# Altium PCB BGA_faser.PcbDoc (part 1 of 3) (continued)
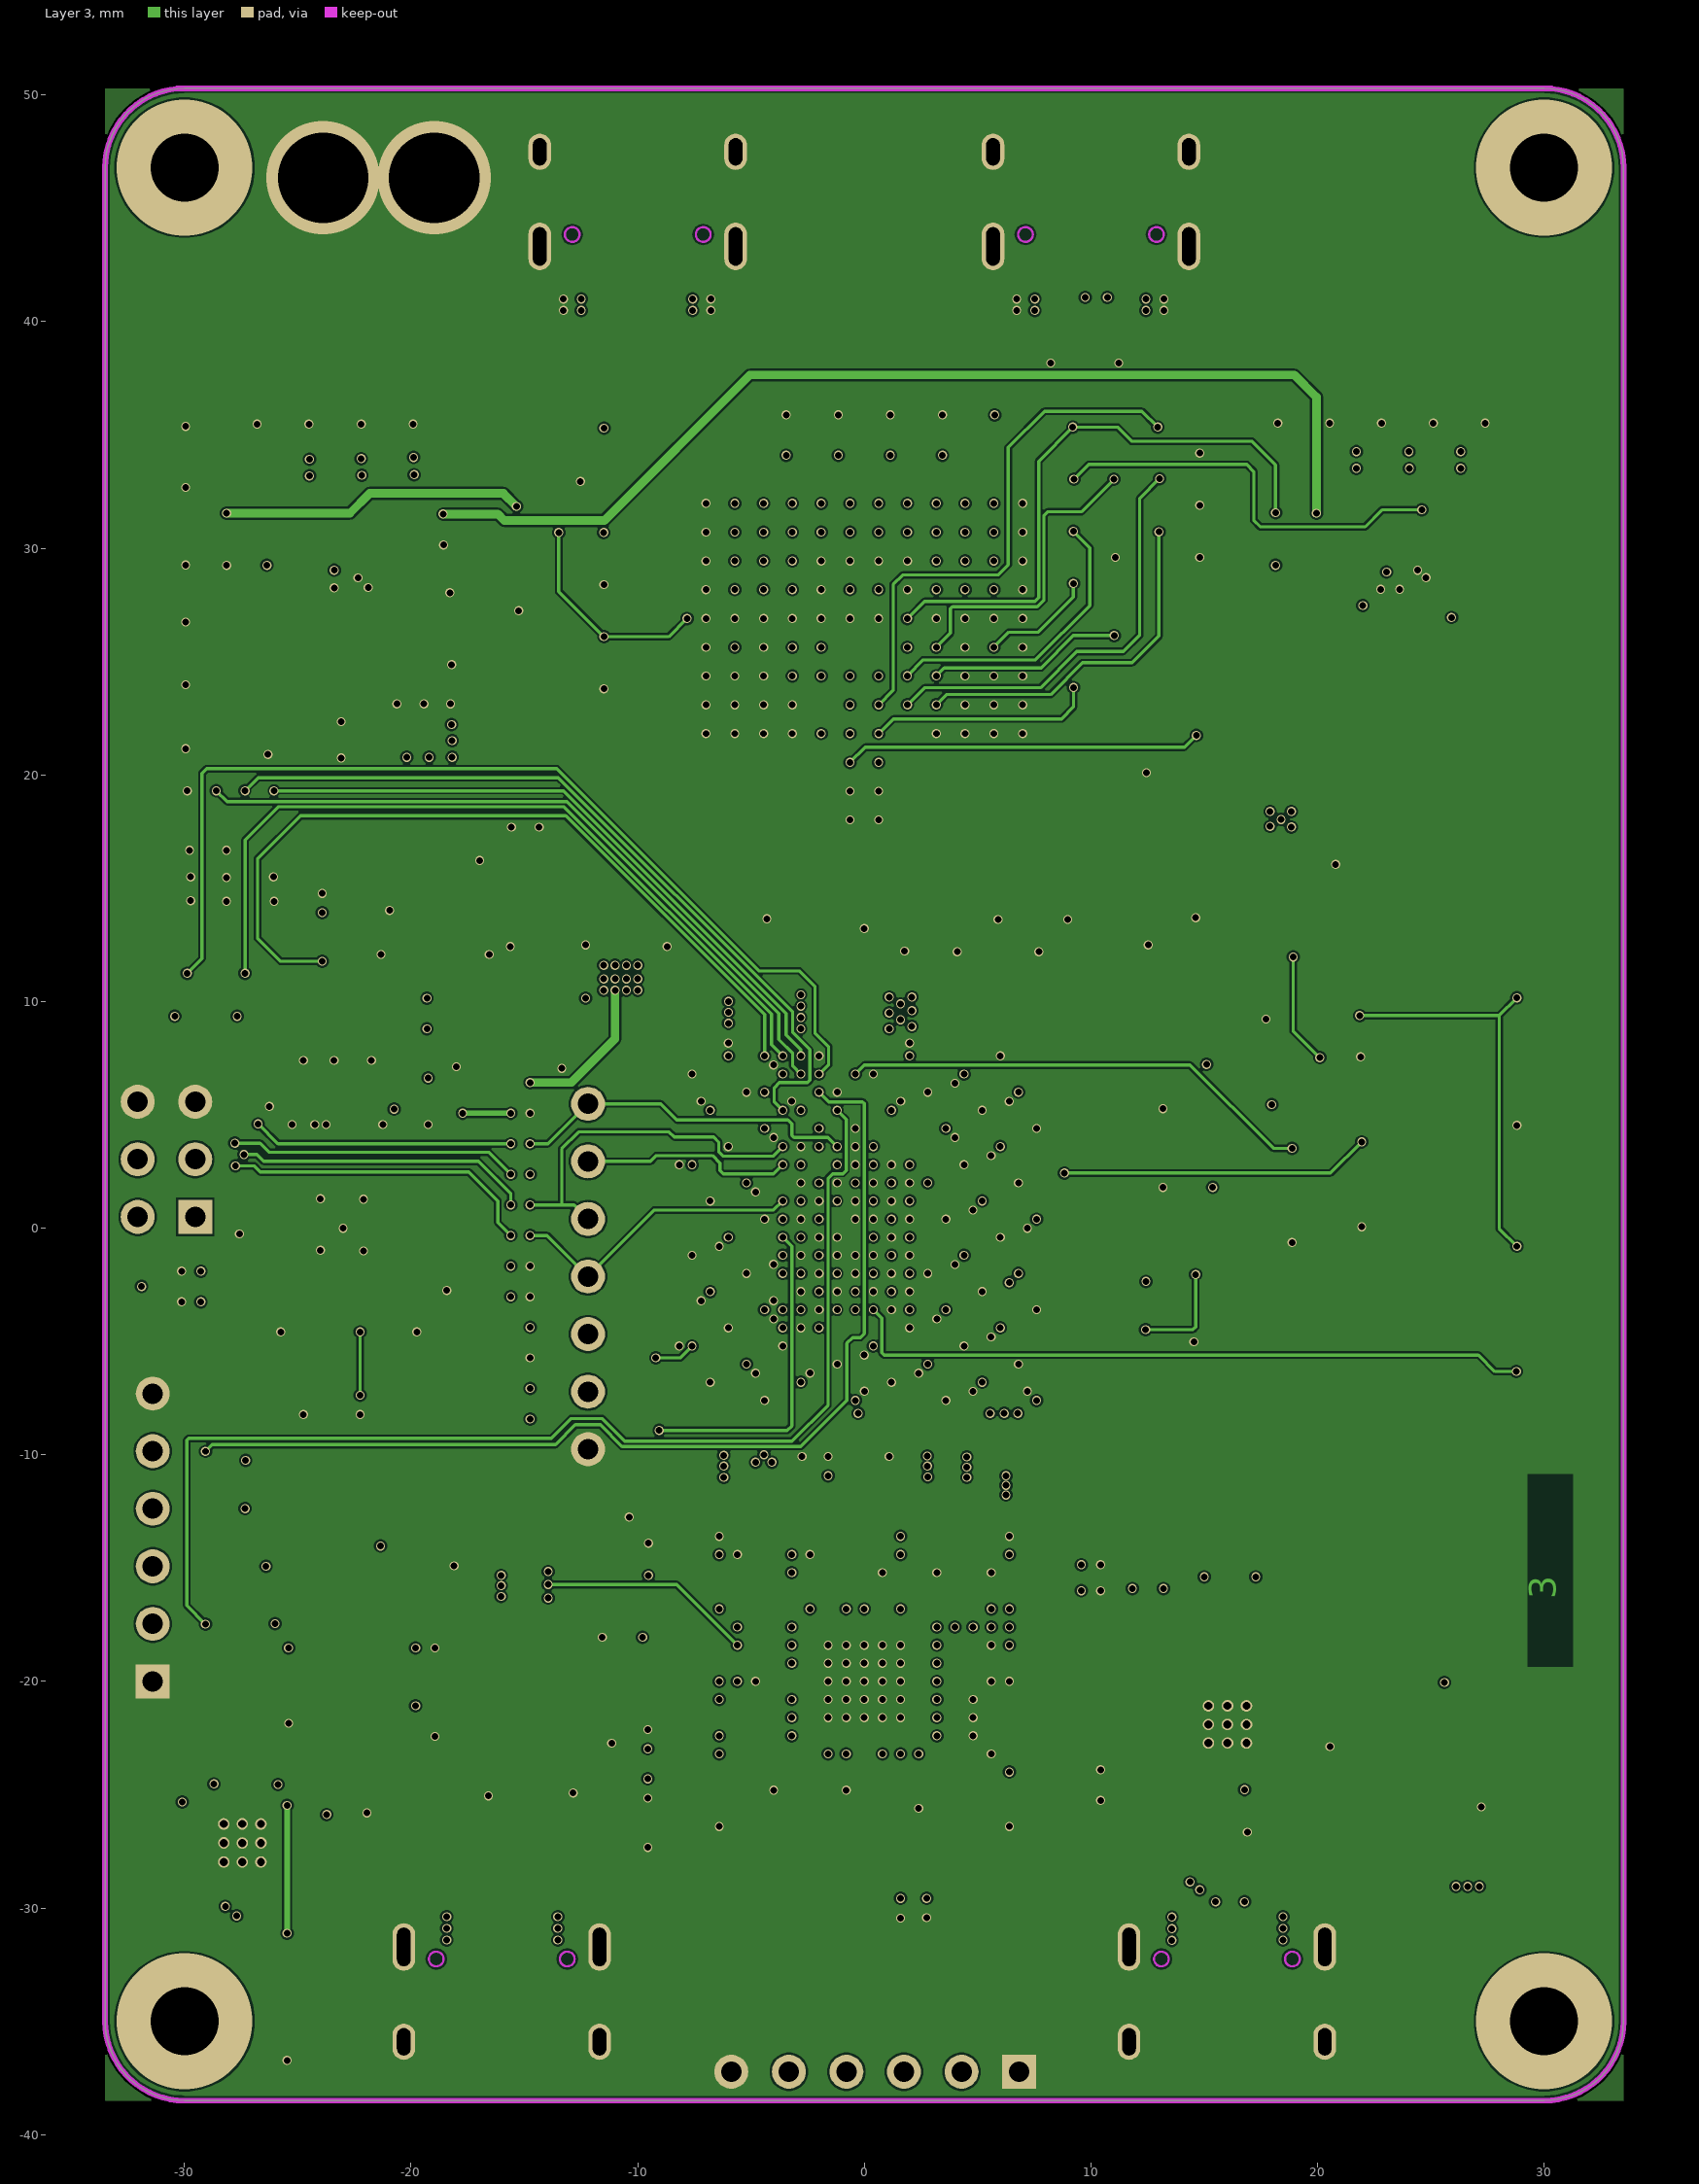
[diagram p3: Layer 3]
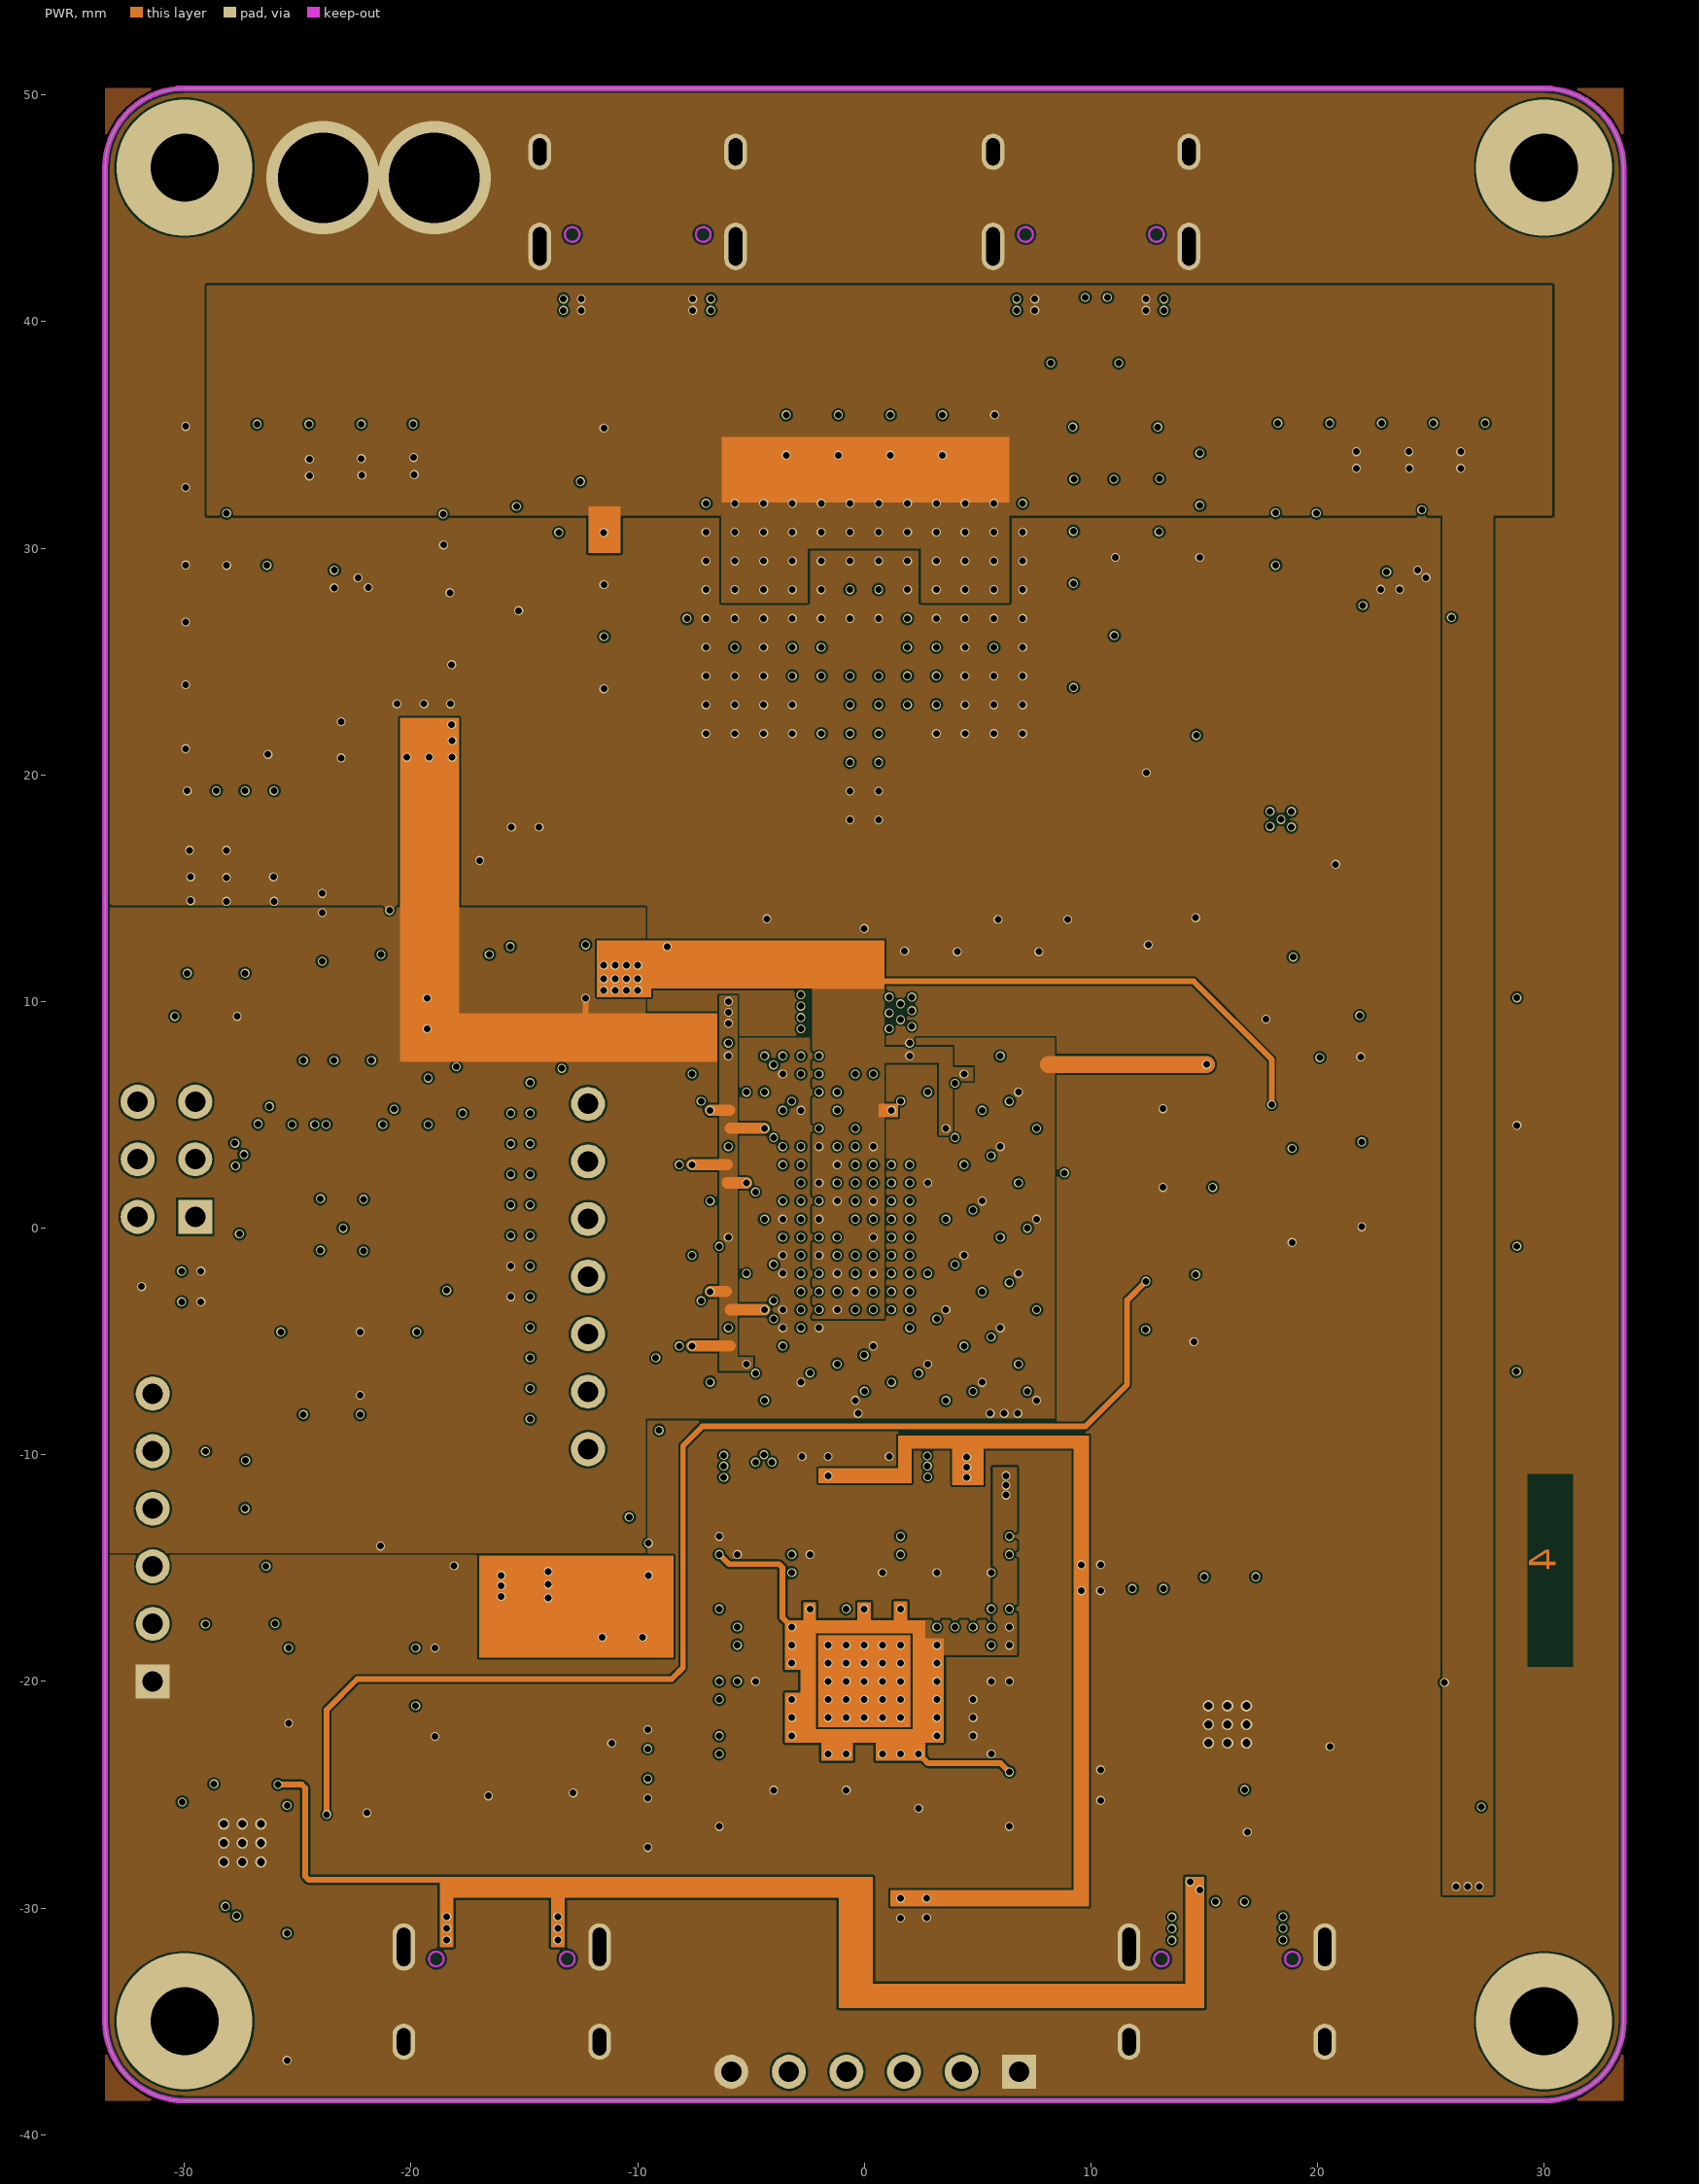
[diagram p4: PWR]
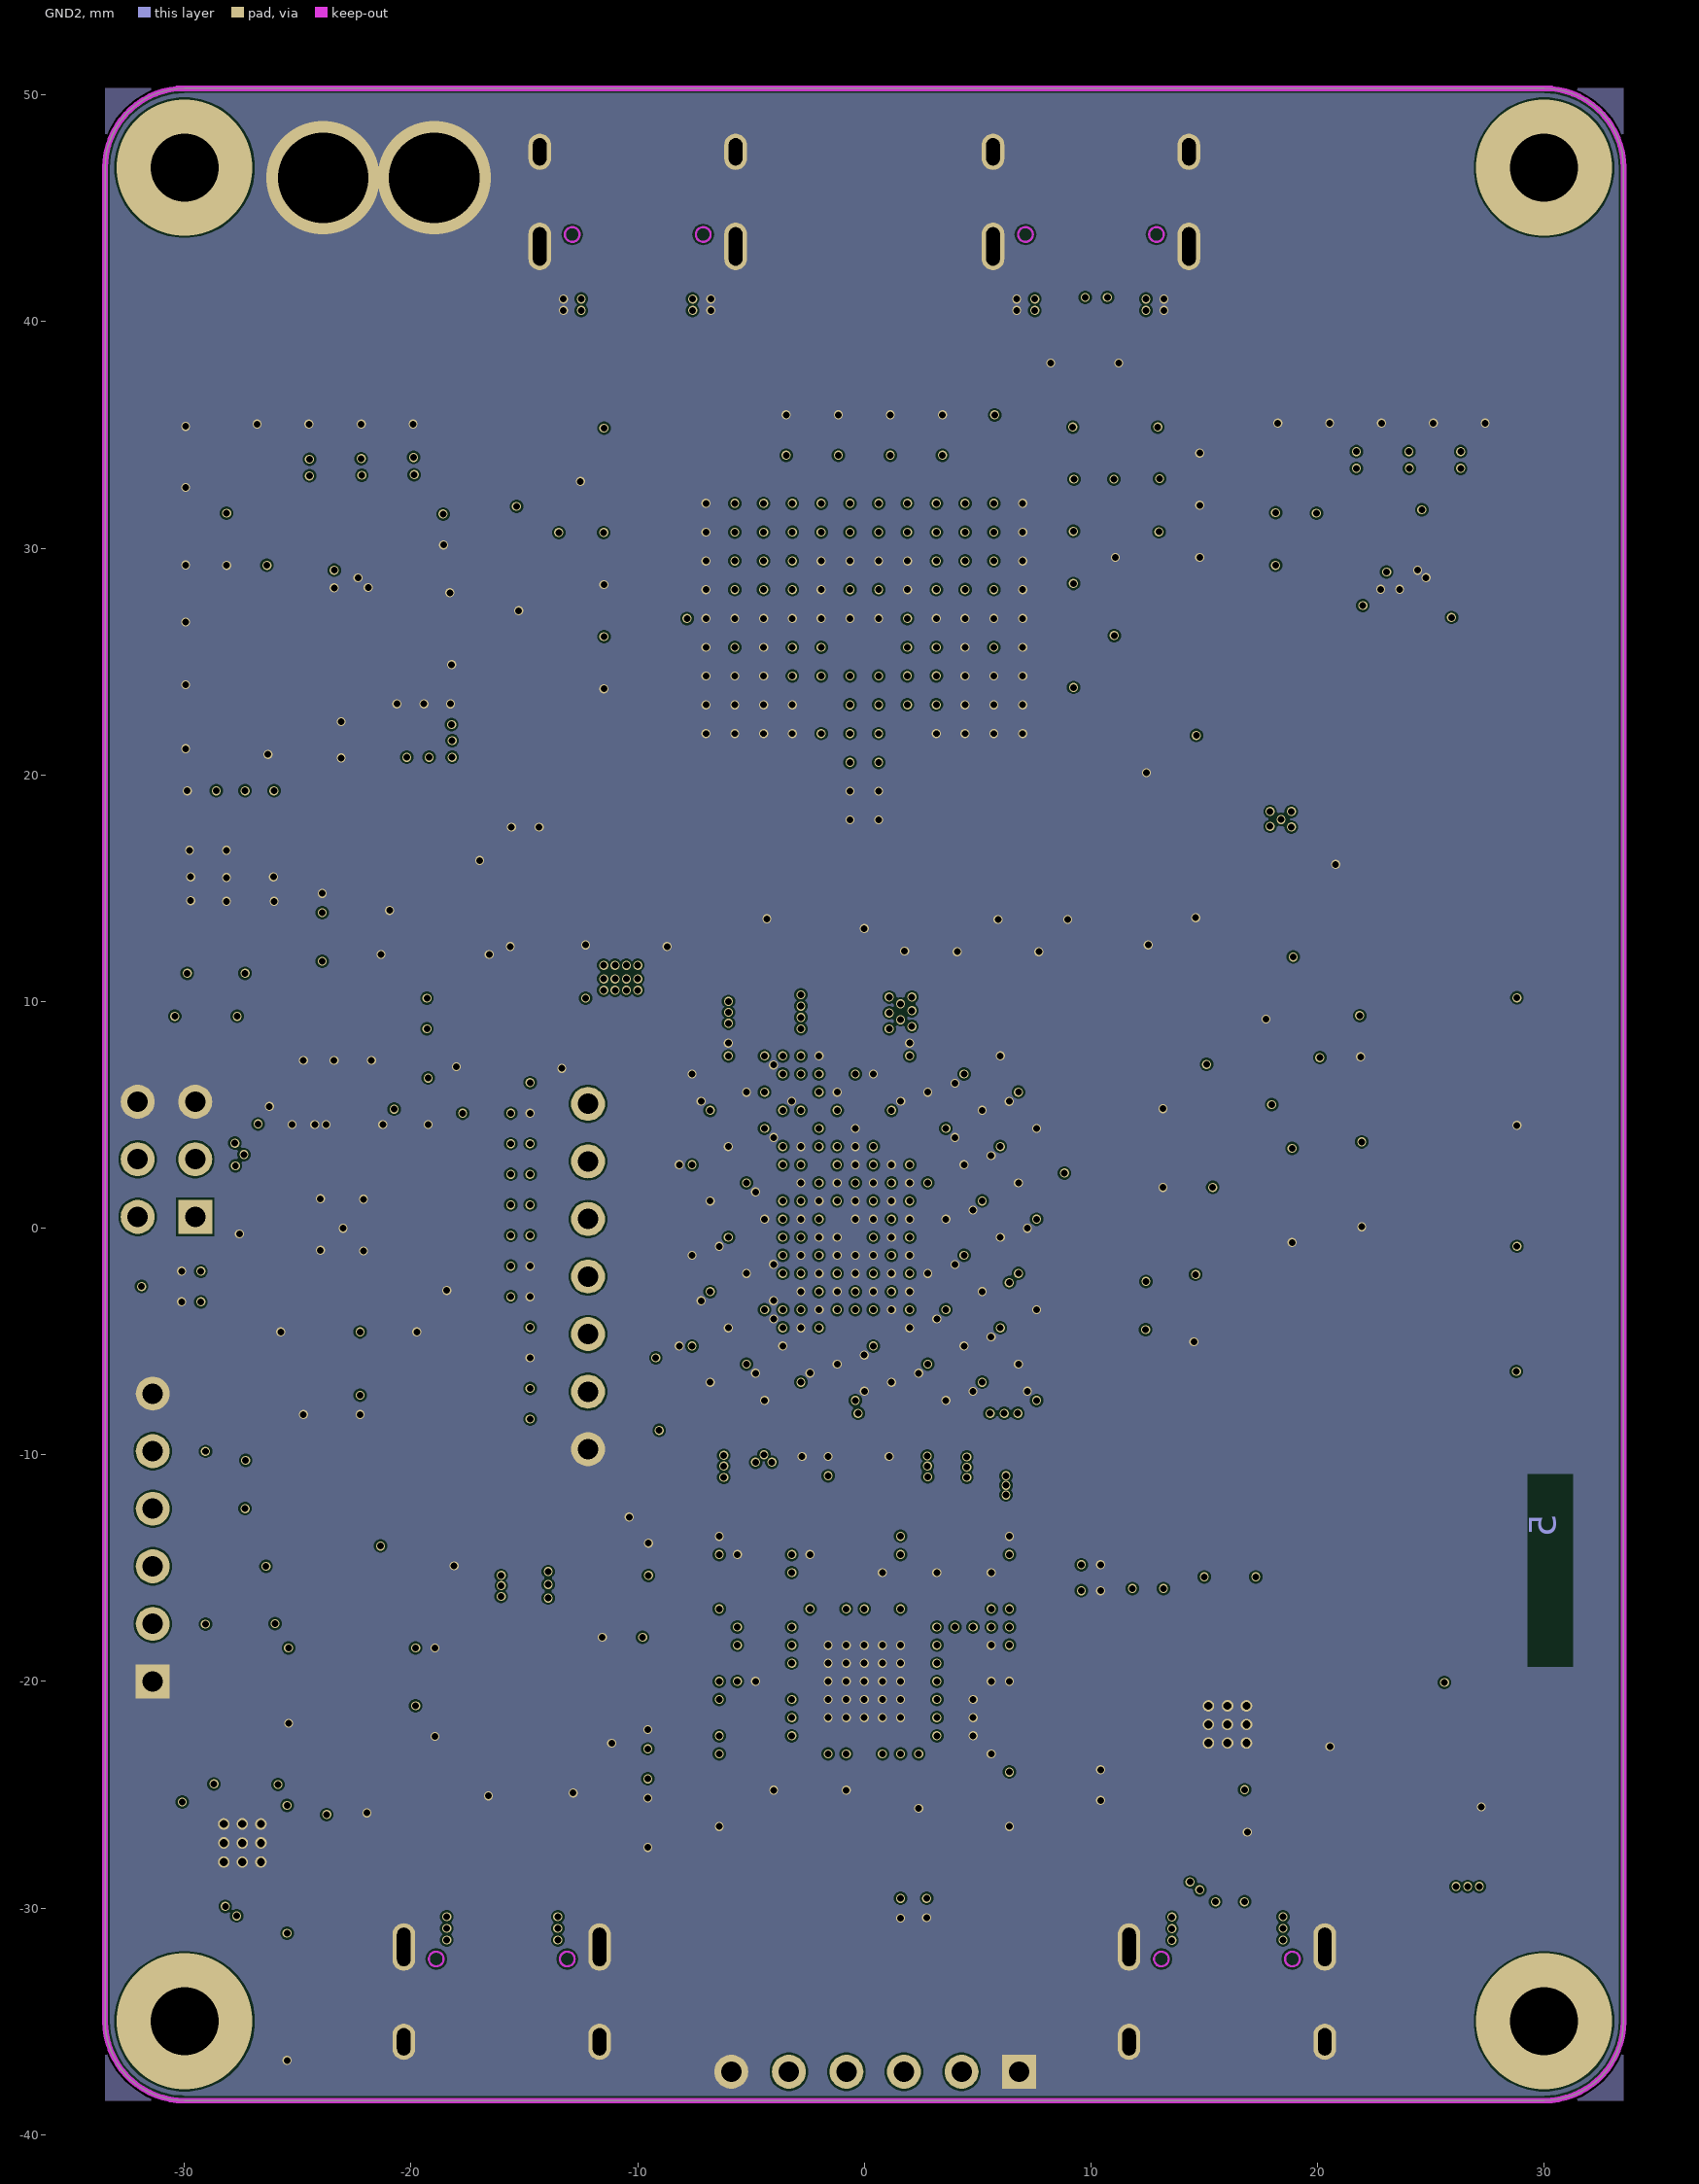
[diagram p5: GND2]
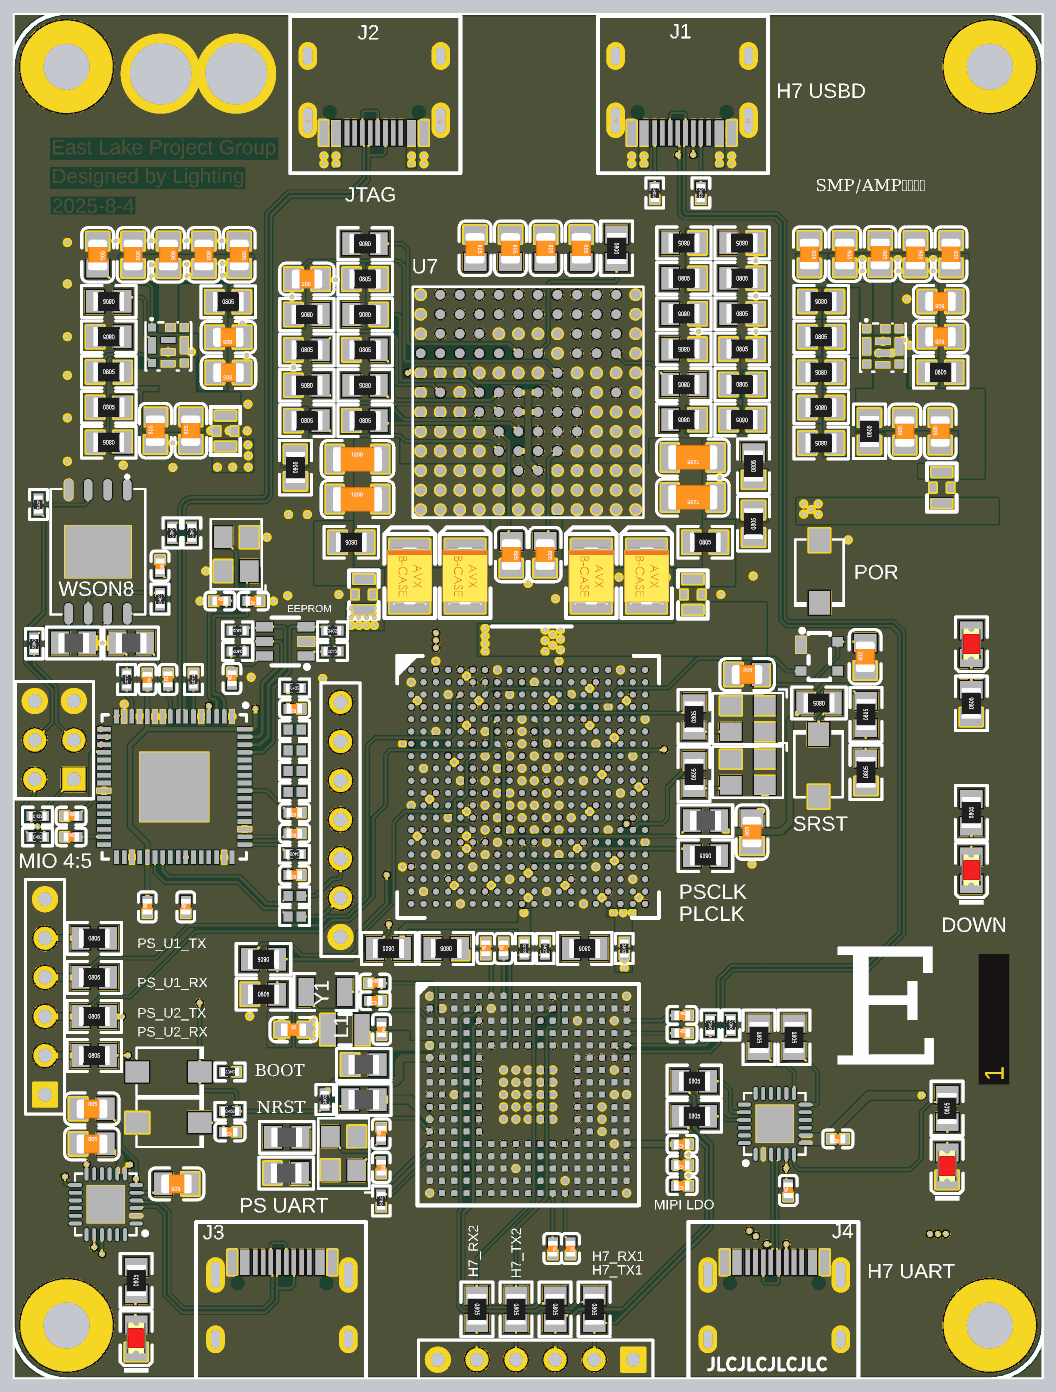
[diagram p8: 3D render of the assembled board from above, using the file's embedded part models]

## Layer stack, top to bottom
Top Solder: solder mask 0.0102, Solder Resist, Dk 3.5
Top Layer: signal copper 0.0356
Dielectric 2: prepreg 0.0711, PP-006, Dk 4.1
GND1: signal copper 0.035
Dielectric 4: prepreg 0.0711, PP-006, Dk 4.1
Layer 3: signal copper 0.035
Dielectric 1: dielectric 0.32, FR-4, Dk 4.8
PWR: signal copper 0.035
Dielectric 5: prepreg 0.0711, PP-006, Dk 4.1
GND2: signal copper 0.035
Dielectric 3: prepreg 0.0711, PP-006, Dk 4.1
Bottom Layer: signal copper 0.0356
Bottom Solder: solder mask 0.0102, Solder Resist, Dk 3.5

## Board outline
-33.5,-35 ccw(c-30,-35) -30,-38.5 30,-38.5 ccw(c30,-35) 33.5,-35 33.5,46.8 ccw(c30,46.8) 30,50.3 -30,50.3 ccw(c-30,46.8) -33.5,46.8

## Design rules (kind name [scope] priority, off if disabled: settings)
Clearance PolygonClearance_10mil [InPolygon] p1: gap=0.089 ignorepadtopadclearanceinfootprint=FALSE
Clearance [All] p2: gap=0.089 ignorepadtopadclearanceinfootprint=FALSE
DiffPairsRouting [All] p1: maxlimit=0.254 minlimit=0.089 mostfreqgap=0.152 toplayer_minwidth=0.089 toplayer_maxwidth=2.54 toplayer_prefwidth=0.142 midlayer1_minwidth=0.089 midlayer1_maxwidth=2.54 midlayer1_prefwidth=0.142 midlayer2_minwidth=0.089 midlayer2_maxwidth=2.54 midlayer2_prefwidth=0.142 midlayer3_minwidth=0.089 midlayer3_maxwidth=2.54 midlayer3_prefwidth=0.142 midlayer4_minwidth=0.089 midlayer4_maxwidth=2.54 midlayer4_prefwidth=0.142 bottomlayer_minwidth=0.089 bottomlayer_maxwidth=2.54 bottomlayer_prefwidth=0.142 maxuncoupledlength=12.7
PlaneConnect [All] p1: planeconnectstyle=Direct reliefexpansion=0.508 reliefentries=4 reliefconductorwidth=0.254 reliefairgap=0.254
PolygonConnect [All] p1: connectstyle=Direct reliefconductorwidth=0.254 reliefentries=4 polygonreliefangle="90 Angle" airgapwidth=0.254
RoutingVias [All] p1: holewidth=0.711 width=1.27 viastyle="Through Hole" minholewidth=0.711 minwidth=1.27 maxholewidth=0.711 maxwidth=1.27
SolderMaskExpansion [All] p1: expansion=0.102 istentingtop=FALSE
SupplyNets "Schematic Supply Nets_13" [InNet('VDD2')] p1: voltage=0.000
SupplyNets "Schematic Supply Nets_7" [InNet('VDD')] p2: voltage=0.000
SupplyNets "Schematic Supply Nets_10" [InNet('VMCU_3V3')] p3: voltage=0.000
SupplyNets "Schematic Supply Nets_8" [InNet('FT_1V8')] p4: voltage=0.000
SupplyNets "Schematic Supply Nets_9" [InNet('VCC_1V0')] p5: voltage=0.000
SupplyNets "Schematic Supply Nets_26" [InNet('PRE_1V0')] p6: voltage=0.000
SupplyNets "Schematic Supply Nets_3" [InNet('PRE_1V8')] p7: voltage=0.000
SupplyNets "Schematic Supply Nets_21" [InNet('INTVCC')] p8: voltage=0.000
SupplyNets "Schematic Supply Nets_20" [InNet('VCC_1V5')] p9: voltage=0.000
SupplyNets "Schematic Supply Nets_19" [InNet('1V8')] p10: voltage=0.000
SupplyNets "Schematic Supply Nets_15" [InNet('SGND')] p11: voltage=0.000
SupplyNets "Schematic Supply Nets_12" [InNet('VCC_1V8')] p12: voltage=0.000
SupplyNets "Schematic Supply Nets_11" [InNet('1V0')] p13: voltage=0.000
SupplyNets "Schematic Supply Nets_6" [InNet('VCC_5V')] p14: voltage=0.000
SupplyNets "Schematic Supply Nets_5" [InNet('VCC_3V3')] p15: voltage=0.000
SupplyNets "Schematic Supply Nets_4" [InNet('VDD_SDC')] p16: voltage=0.000
SupplyNets "Schematic Supply Nets_2" [InNet('SMPS_GND')] p17: voltage=0.000
SupplyNets "Schematic Supply Nets_1" [InNet('GND')] p18: voltage=0.000
SupplyNets "Schematic Supply Nets" [InNet('REF')] p19: voltage=0.000
Width POWER [InNetClass('POWER')] p1: maxlimit=25.4 minlimit=0.254 preferedwidth=0.254
Width 顶层五十欧姆单端 [OnLayer('Top Layer')] p2: maxlimit=25.4 minlimit=0.089 preferedwidth=0.156
Width 第三层五十欧姆 [OnLayer('Layer 3')] p3: maxlimit=2.54 minlimit=0.089 preferedwidth=0.142
28 further rules are at their usual default settings.

## Classes and differential pairs
component class debug: C135 C136 C137 C139 C140 D3 D4 J3 J4 P4 Q1 Q2 R94 R95 R96 R97 R98 R99 R100 R101 R102 R103 U10 U11
component class jtag: C89 C90 C91 C92 C93 C94 C95 C96 C97 C98 C99 C100 C101 D2 FB6 FB7 P3 R33 R34 R35 R36 R37 R38 R39 R40 R41 R42 R43 R44 R45 R46 R47 R48 R49 U5 U6 X4
component class zynq: C30 C31 C32 C33 C34 C35 C36 C37 C38 C39 C40 C41 C42 C43 C44 C45 C46 C47 C48 C49 C50 C51 C52 C53 C54 C55 C56 C57 C58 C59 C60 C61 C62 C63 C64 C65 C66 C67 C68 C69 C70 C71 C72 C73 C74 C75 C76 C77 C78 C79 C80 C81 C82 C83 C84 C85 C86 C87 C88 D1 FB5 P2 R18 R19 R20 R21 R22 R23 R24 R25 R26 R27 R28 R29 R30 R31 R32 S3 S4 U2 U3 U4 X2 X3
component class power: C102 C103 C104 C105 C106 C107 C108 C109 C110 C111 C112 C113 C114 C115 C116 C117 C118 C119 C120 C121 C122 C123 C124 C125 C126 C127 C128 C129 C130 C131 C132 C133 C134 J2 L2 L3 L4 L5 R50 R51 R52 R53 R54 R55 R56 R57 R58 R59 R60 R61 R62 R63 R64 R65 R66 R67 R68 R69 R70 R71 R72 R73 R74 R75 R76 R77 R78 R79 R80 R81 R82 R83 R84 R85 R86 R87 R88 R89 R90 R91 U7 U8 U9
component class mcu: 22 C1 C2 C3 C4 C5 C6 C7 C8 C9 C10 C11 C12 C13 C14 C15 C16 C17 C18 C19 C20 C21 C22 C23 C24 C25 C26 C28 C29 FB1 FB2 FB3 FB4 J1 L1 P1 R1 R2 R3 R4 R5 R6 R7 R8 R9 R10 R11 R12 R13 R14 R15 R16 R17 S1 S2 U1 X1 Y1
differential pair DDD: +DDD_p -DDD_n
differential pair DD: +DD_p -DD_n
differential pair D: +D_p -D_n
differential pair U1D: +U1D_p -U1D_n
differential pair USB_FS: +USB_FS_p -USB_FS_n
